# KiCad board raven.kicad_pcb (continued)
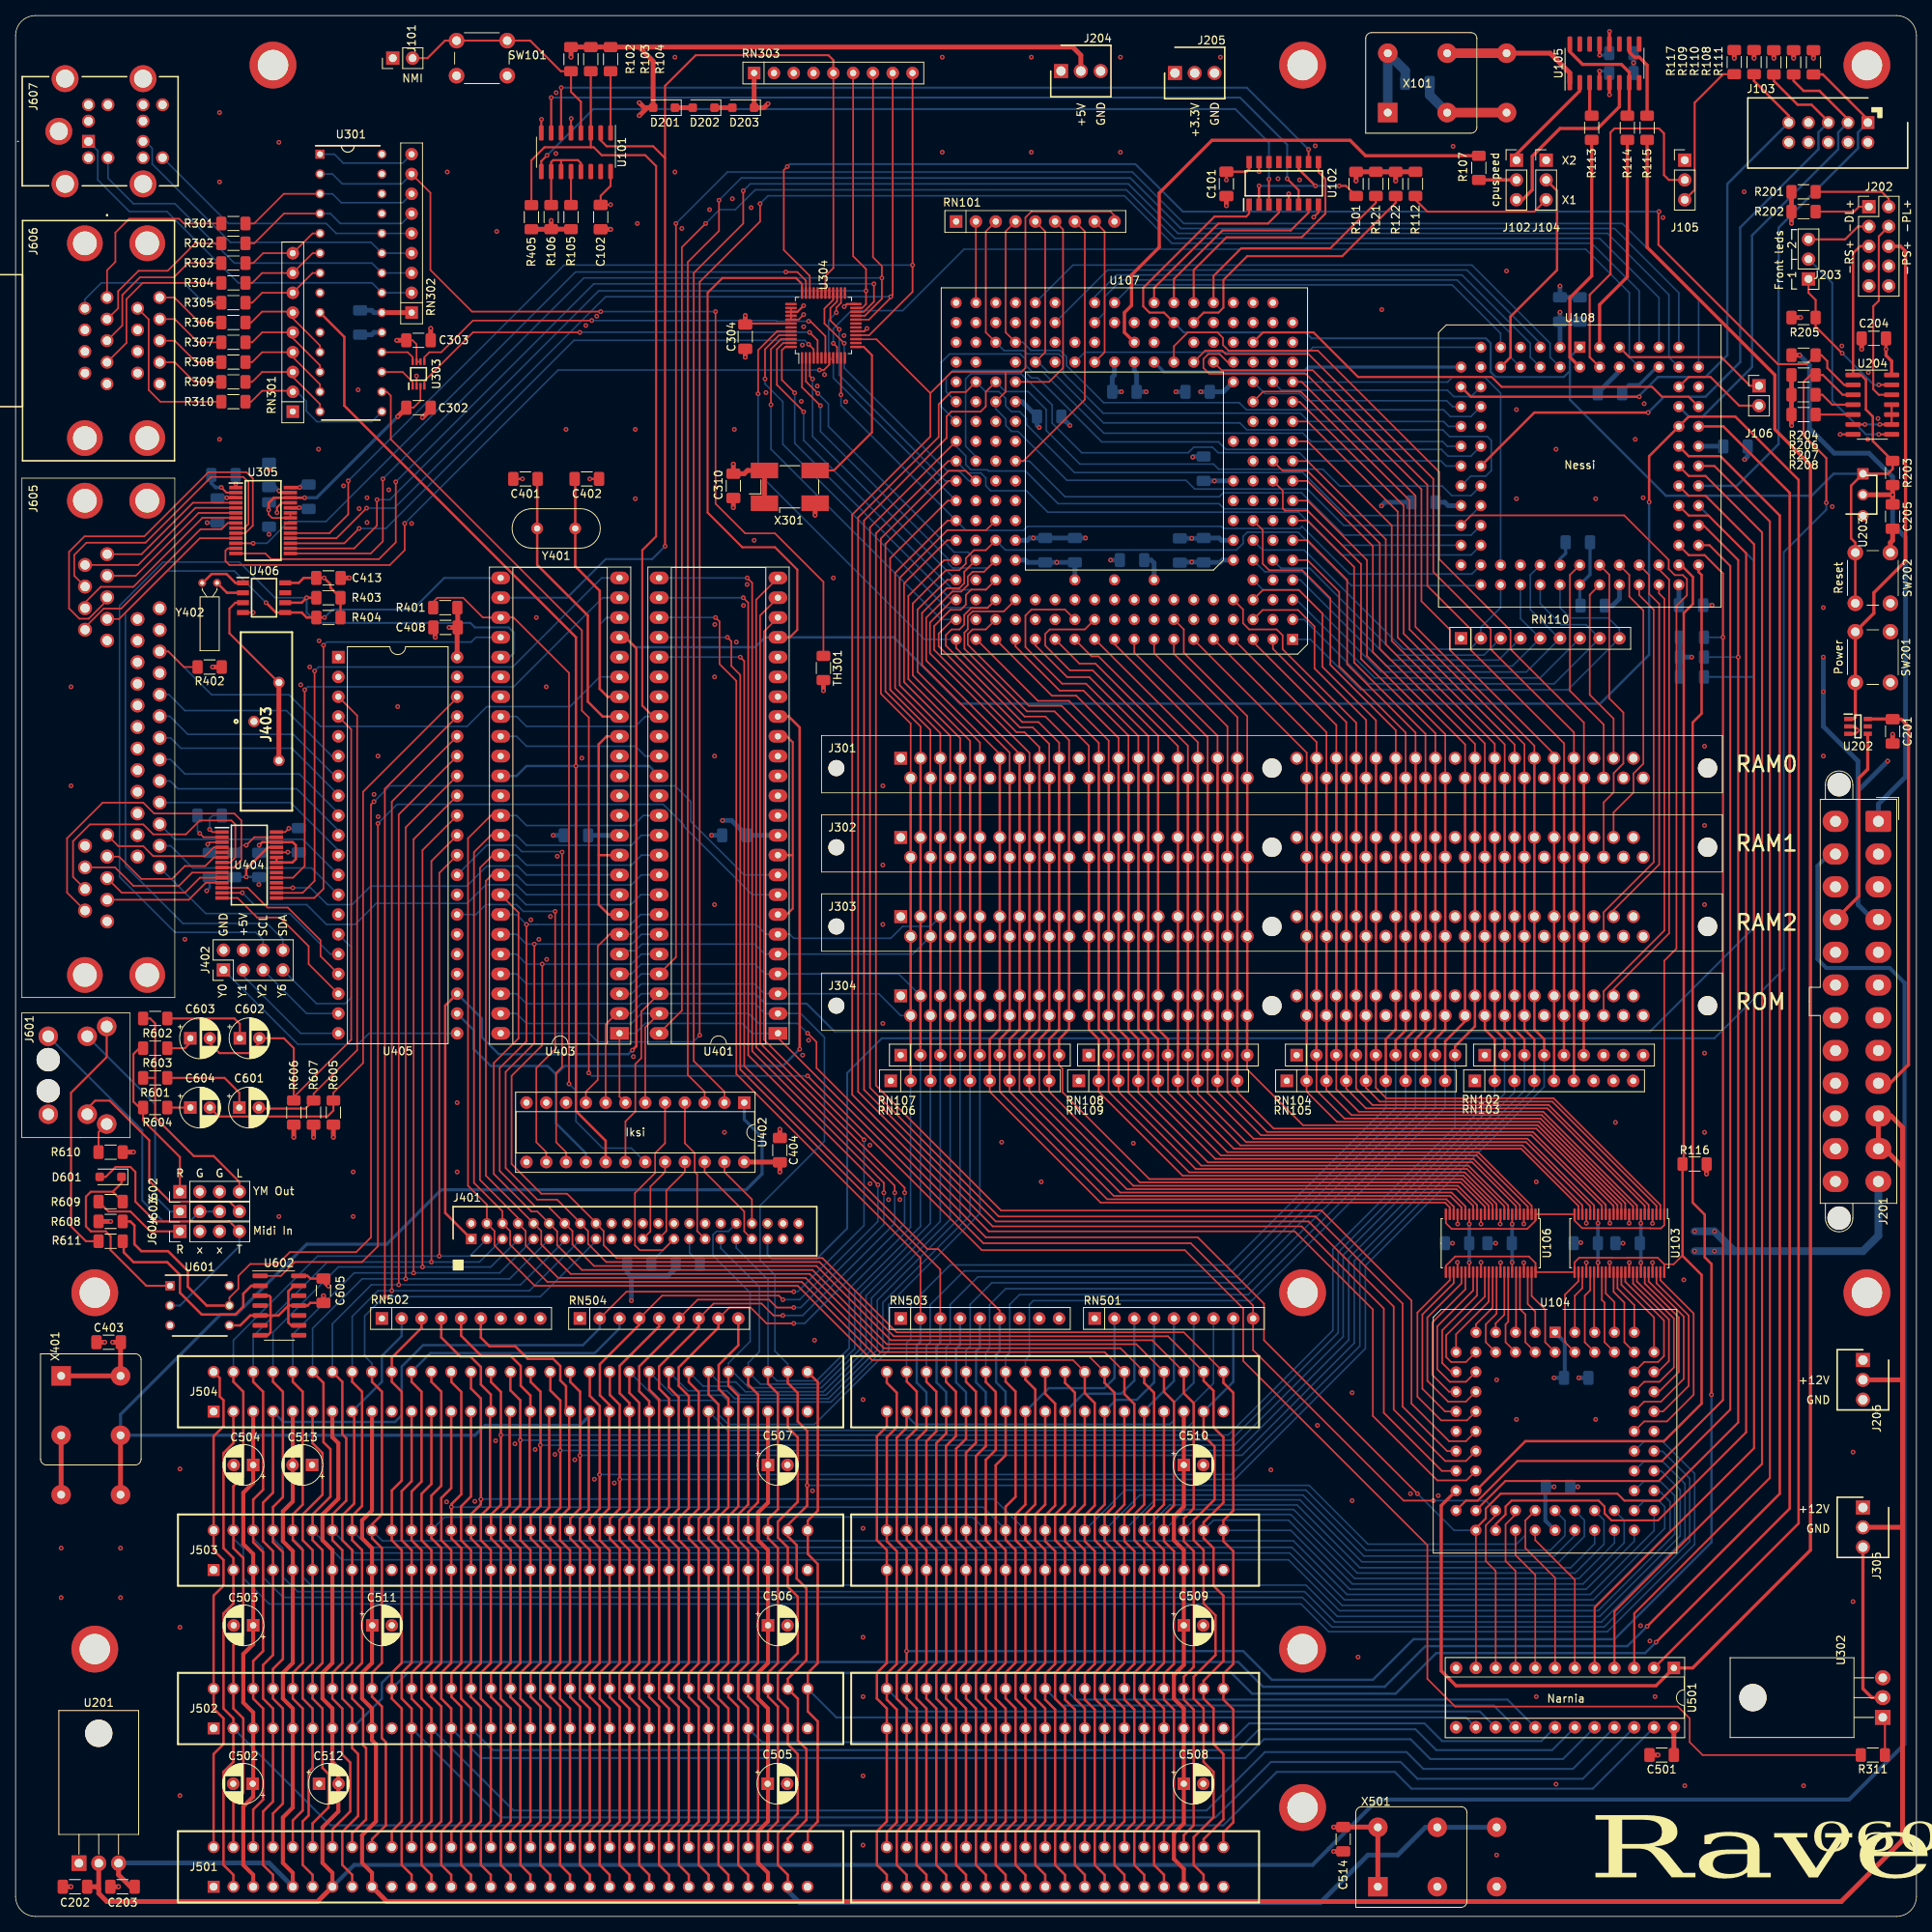
[diagram p0: board, top side]
## Library data of the parts
C101 C102 C108 C110-C118 C121-C126 C201-C204 C305-C309 C403-C413 C514 C605 = -: Description: cap 100nf SMD; Manufacturer_Name: Kemet; Manufacturer_Part_Number: C1206C104K5RACTU
C103-C107 C109 C302-C304 C501 = -: Description: cap 100nf SMD; Manufacturer_Name: Kemet; Manufacturer_Part_Number: C1206C104K5RACTU; Part: C1206C104K5RACTU; Vendor: KEMET
C119 C120 C127 C128 = -: Description: cap 100nf SMD; Manufacturer_Name: Kemet; Manufacturer_Part_Number: C1206C105K4RACTU
C205 = -: Description: Unpolarized capacitor; Manufacturer_Name: Kemet; Manufacturer_Part_Number: C1206C104K5RACTU
C301 = -: Manufacturer_Name: Kemet; Manufacturer_Part_Number: C1206C104K5RACTU
C310 = -: Description: cap 100nf SMD; Manufacturer_Name: Kemet; Manufacturer_Part_Number: C1206C103K2RACTU
C401 C402 = -: Description: cap 100nf SMD; Manufacturer_Name: Kemet; Manufacturer_Part_Number: C1206C330J1GACTU
C502-C513 = -: Description: Polarized capacitor; Manufacturer_Name: Panasonic; Manufacturer_Part_Number: EEU-EB1H100SH
C601-C604 = -: Description: Polarized capacitor; Manufacturer_Name: Panasonic; Manufacturer_Part_Number: EEU-EB1H4R7SH
D201-D203 = -: Description: Diode; Manufacturer_Name: Comchip; Manufacturer_Part_Number: CGRKM4001-HF
D601 = -: Description: 100V 0.3A Small Signal Fast Switching Diode, DO-35; Manufacturer_Name: Taiwan Semiconductor; Manufacturer_Part_Number: 1N914BW RHG; Sim.Device: D; Sim.Pins: 1=K 2=A
J101 = -: Description: Generic connector, single row, 01x02, script generated (kicad-library-utils/schlib/autogen/connector/); Manufacturer_Name: Wurth Elektronik; Manufacturer_Part_Number: 61300211121; Name: NMI
J102 J104 J105 J203 = -: Description: Generic connector, single row, 01x03, script generated (kicad-library-utils/schlib/autogen/connector/); Manufacturer_Name: Wurth Elektronik; Manufacturer_Part_Number: 61300311121
J103 = -: Manufacturer_Name: Wurth Elektronik; Manufacturer_Part_Number: 61201021621
J106 = -: Description: Generic connector, single row, 01x02, script generated (kicad-library-utils/schlib/autogen/connector/); Manufacturer_Name: Wurth Elektronik; Manufacturer_Part_Number: 61300211121
J201 = -: Description: ATX Power supply 24pins; Info: https://www.intel.com/content/dam/www/public/us/en/documents/guides/power-supply-design-guide-june.pdf#page=33; Manufacturer_Name: TE Connectivity; Manufacturer_Part_Number: 1-1775099-3
J202 = -: Description: Generic connector, double row, 02x05, odd/even pin numbering scheme (row 1 odd numbers, row 2 even numbers), script generated (kicad-library-utils/schlib/autogen/connector/); Manufacturer_Name: Wurth Elektronik; Manufacturer_Part_Number: 61301021121; Name: Frontpanel
J204-J206 J305 = -: Description: MOLEX - 171856-1003 - CONNECTOR, HEADER, 3POS, 1ROW, 2.54MM; Height: 8.43; Manufacturer_Name: Molex; Manufacturer_Part_Number: 171856-1003; Mouser Part Number: 538-171856-1003; Mouser Price/Stock: https://www.mouser.co.uk/ProductDetail/Molex/171856-1003?qs=s7UCm7gO1bYrc6bByhKL5g%3D%3D
J301-J304 = -: Description: Non-standard SIMM; Manufacturer_Name: TE Connectivity; Manufacturer_Part_Number: 5822030-3
J401 = -: Description: Connector pin header; Manufacturer_Name: Molex; Manufacturer_Part_Number: 87831-4420
J402 = -: Description: Generic connector, double row, 02x04, odd/even pin numbering scheme (row 1 odd numbers, row 2 even numbers), script generated (kicad-library-utils/schlib/autogen/connector/); Manufacturer_Name: Wurth Elektronik; Manufacturer_Part_Number: 61300821121
J403 = -: Description: Coin Cell Battery Retainer, Vertical Throughboard, for CR2032 and BR2032 Coin Cell Batteries; Manufacturer_Name: Harwin; Manufacturer_Part_Number: S8401-46; Mouser Part Number: 855-S8401-46; Mouser Price/Stock: https://www.mouser.co.uk/ProductDetail/Harwin/S8401-46?qs=Qom7kyPojXaFNoCO9lxVnA%3D%3D
J501-J504 = -: Description: ISA 16bit connector; Manufacturer_Name: TE Connectivity; Manufacturer_Part_Number: 5176139-2
J601 = -: Description: Phone Connectors 3.5mm STACKED STEREO dual; Manufacturer_Name: Kycon; Manufacturer_Part_Number: STX-4235-3/3-N; Mouser Part Number: 806-STX-4235-3/3-N
J602-J604 = -: Description: Generic connector, single row, 01x04, script generated (kicad-library-utils/schlib/autogen/connector/); Manufacturer_Name: Wurth Elektronik; Manufacturer_Part_Number: 61300411121
J605 = -: Description: D-Sub Dualport Connectors 25P Male / 2x 9P Female .750" Spacing; Manufacturer_Name: Amphenol; Manufacturer_Part_Number: L17H26R0121; Mouser Part Number: 523-L17H26R0121
J606 = -: Description: D-Sub Dualport Connectors DL-PRT 9M O/ 9M-750 4GB JS; Height: 31.6; Manufacturer_Name: Kycon; Manufacturer_Part_Number: K42X-E9P/P-A4NJ; Mouser Part Number: 806-K42X-E9P/P-A4NJ; Mouser Price/Stock: https://www.mouser.com/Search/Refine.aspx?Keyword=806-K42X-E9P%2FP-A4NJ
J607 = -: Description: Circular DIN Connectors 6P/6P PC99 GRN/PURPL STACKED GOLD PLATED; Height: 28.55; Manufacturer_Name: Kycon; Manufacturer_Part_Number: KMDGX-6SG/P-S4N; Mouser Part Number: 806-KMDGX-6SGP-S4N; Mouser Price/Stock: https://www.mouser.co.uk/ProductDetail/Kycon/KMDGX-6SG-P-S4N?qs=wzaPhkLM3Q5CI9SGP7X58Q%3D%3D
R101-R106 R108 R112 R117 R121 R122 R204-R208 R311 R407 = -: Description: Resistor; Manufacturer_Name: Yageo; Manufacturer_Part_Number: RT1206FRE0710KL
R107 R113-R115 = -: Description: Resistor; Manufacturer_Name: Yageo; Manufacturer_Part_Number: RT1206FRE0733RL
R109-R111 R601-R604 R608 = -: Description: Resistor; Manufacturer_Name: Yageo; Manufacturer_Part_Number: RT1206FRE074K7L
R116 R118-R120 R203 R401 R402 R405 R605-R607 = -: Description: Resistor; Manufacturer_Name: Yageo; Manufacturer_Part_Number: RT1206FRE071KL
R201 R202 R301-R310 = -: Description: Resistor; Manufacturer_Name: Yageo; Manufacturer_Part_Number: RT1206FRE07470RL
R403 R404 R406 = -: Description: Resistor; Manufacturer_Name: Yageo; Manufacturer_Part_Number: RT1206FRE072K2L
R609-R611 = -: Description: Resistor; Manufacturer_Name: Yageo; Manufacturer_Part_Number: RT1206FRE07220RL
RN101-RN110 RN303 RN503 RN504 = -: Description: 8 resistor network, star topology, bussed resistors, split; Manufacturer_Name: IRC / TT; Manufacturer_Part_Number: L091S102LF
RN301 RN302 = -: Description: 8 resistor network, star topology, bussed resistors, split; Manufacturer_Name: IRC / TT; Manufacturer_Part_Number: L091S103LF
RN501 RN502 = -: Description: 8 resistor network, star topology, bussed resistors, split; Manufacturer_Name: IRC / TT; Manufacturer_Part_Number: L091S472LF
SW101 = -: Description: Push button switch, generic, two pins; Manufacturer_Name: Alps Alpine; Manufacturer_Part_Number: SKHHARA010; Name: NMI
SW201 = -: Description: Push button switch, generic, two pins; Manufacturer_Name: Alps Alpine; Manufacturer_Part_Number: SKHHARA010; Name: Pwr
SW202 = -: Description: Push button switch, generic, two pins; Manufacturer_Name: Alps Alpine; Manufacturer_Part_Number: SKHHARA010; Name: Reset
TH301 = -: Description: Temperature dependent resistor, negative temperature coefficient; Manufacturer_Name: TDK; Manufacturer_Part_Number: B57621C5103J62
U101 = -: Description: Priority Encoder 3 to 8 cascadable; Manufacturer_Name: TI; Manufacturer_Part_Number: SN74LS148DR
U102 = -: Description: 74AHC(T)157 - Quad 2-input multiplexer@en-us; Height: 1.75; Manufacturer_Name: Nexperia; Manufacturer_Part_Number: 74AHC157D,118; Mouser Part Number: 771-AHC157D118; Mouser Price/Stock: https://www.mouser.com/Search/Refine.aspx?Keyword=771-AHC157D118
U103 U106 = -: Description: Low Voltage 16-Bit Bidirectional Transceiver with 5V Tolerant Inputs and Outputs, TSSOP-48; Manufacturer_Name: NXP; Manufacturer_Part_Number: 74LVCH16245ADGG,11
U104 = -: Description: 68040/60 Bus sizer; Manufacturer_Name: Motorola; Vendor: NXP
U105 = -: Manufacturer_Name: Infineon Technologies; Manufacturer_Part_Number: CY2308SXC-2
U107 = -: Description: 68060 PGA206; Manufacturer_Name: Motorola; Part: MC68060RC; Vendor: NXP
U108 = -: Description: CPLD 128mc 7ns 64io; Manufacturer_Name: Microchip; Manufacturer_Part_Number: ATF1508AS-7JX84
U201 = -: Description: Voltage regulator,LM7905CT -5V Texas Instruments LM7905CT/NOPB, Single Negative Voltage Regulator 1.5A -5 V, +/-4%, 3-Pin TO-220; Height: 4.7; Manufacturer_Name: Texas Instruments; Manufacturer_Part_Number: LM7905CT/NOPB; Mouser Part Number: 926-LM7905CT/NOPB; Mouser Price/Stock: https://www.mouser.co.uk/ProductDetail/Texas-Instruments/LM7905CT-NOPB?qs=QbsRYf82W3EUyxHaqeuxKA%3D%3D
U202 = -: Description: On Off Controller, Debounce, 15kV ESD MAX16054AZT+T, Voltage Supervisor No Push Button Controller 6-Pin SOT-23; Height: 1.1; Manufacturer_Name: Analog Devices; Mouser Part Number: 700-MAX16054AZTT; Mouser Price/Stock: https://www.mouser.co.uk/ProductDetail/Analog-Devices-Maxim-Integrated/MAX16054AZT%2bT?qs=CDqwynd4ZNoG75aAAjGoqQ%3D%3D
U203 = -: Description: 3.3V Reset, 150 ms delay/2.88V threshold, TO-92-3; Manufacturer_Name: Analog Devices; Manufacturer_Part_Number: DS1818-10+T&R; Mouser Part Number: 700-DS1818-10T&R
U204 = -: Description: Triple 3-input NAND; Manufacturer_Name: TI; Manufacturer_Part_Number: CD74HCT10M96G4
U301 = -: Description: 8-bit Microcontrollers - MCU 14KB 368 RAM 22 I/O; Height: 4.06; Manufacturer_Name: Microchip; Manufacturer_Part_Number: PIC16F876A-I/SP; Mouser Part Number: 579-PIC16F876A-I/SP; Mouser Price/Stock: https://www.mouser.co.uk/ProductDetail/Microchip-Technology/PIC16F876A-I-SP?qs=wPbeaPfwU9%2FdIiAjeCfoEA%3D%3D
U302 = -: Description: Trans MOSFET N-CH 100V 5.6A; Height: 4.7; Manufacturer_Name: Vishay; Mouser Part Number: 844-IRF510PBF; Mouser Price/Stock: https://www.mouser.co.uk/ProductDetail/Vishay-Semiconductors/IRF510PBF?qs=cvaI6ThkwxvE%2Fq53SiepeA%3D%3D
U303 = -: Description: Translation - Voltage Levels Two channel fixed-direction level shifter with channels in opposite direction; Height: 0.9; Manufacturer_Name: Texas Instruments; Mouser Part Number: 595-TXU0202DCUR; Mouser Price/Stock: https://www.mouser.co.uk/ProductDetail/Texas-Instruments/TXU0202DCUR?qs=t7xnP681wgVssPLUozppFA%3D%3D
U304 = -: Description: 3V DUART, 68k interface, 16Mbs; Manufacturer_Name: MaxLinear; Manufacturer_Part_Number: XR68M752IM48-F
U305 U404 = -: Description: RS-232 Interface IC 1 uA Supply Current, 1Mbps, 3.0V to 5.5V; Height: 1.99; Manufacturer_Name: Analog Devices; Mouser Part Number: 700-MAX3245CAIT; Mouser Price/Stock: https://www.mouser.co.uk/ProductDetail/Analog-Devices-Maxim-Integrated/MAX3245EAI%2bT?qs=CDqwynd4ZNrrMw8MU20iYw%3D%3D
U401 U403 = -: Description: MFP DIP48; Manufacturer_Name: NXP; Manufacturer_Part_Number: MC68901P
U402 U501 = -: Description: Microchip ATF22V10C-15PU, SPLD Simple Programmable Logic Device; Manufacturer_Name: Microchip
U405 = -: Manufacturer_Name: Yamaha
U406 = -: Description: DS1307Z+T&R, Real Time Clock, Battery Backup, Calendar, Clock, 56B RAM, I2C, 8-Pin SOIC; Height: 1.75; Manufacturer_Name: Analog Devices; Manufacturer_Part_Number: DS1307Z+T&R; Mouser Part Number: 700-DS1307ZT&R; Mouser Price/Stock: https://www.mouser.co.uk/ProductDetail/Analog-Devices-Maxim-Integrated/DS1307Z%2bTR?qs=0Y9aZN%252BMVCXp4OQc9xwQow%3D%3D
U601 = -: Description: Optocoupler DC-IN 1-CH Trans DC-OUT; Height: 4.3; Manufacturer_Name: Vishay; Mouser Part Number: 782-CNY17F-3; Mouser Price/Stock: https://www.mouser.co.uk/ProductDetail/Vishay-Semiconductors/CNY17F-3?qs=xCMk%252BIHWTZPgGZuXIQVmMQ%3D%3D
U602 = -: Description: Hex Buffers and Drivers With Open Collector High Voltage Outputs; Manufacturer_Name: TI; Manufacturer_Part_Number: SN74LS07DR
X101 = -: Description: Crystal Clock Oscillator, DIP8-style metal package; Manufacturer_Name: Abracon; Manufacturer_Part_Number: ACHL-48.000MHZ-EK
X301 = -: Description: HCMOS Clock Oscillator; Manufacturer_Name: Abracon; Manufacturer_Part_Number: ASV-24.000MHZ-EJ-T
X401 = -: Description: Crystal Clock Oscillator, DIP8-style metal package; Manufacturer_Name: Abracon; Manufacturer_Part_Number: ACH-8.000MHZ-EK
X501 = -: Description: Crystal Clock Oscillator, DIP8-style metal package; Manufacturer_Name: Abracon; Manufacturer_Part_Number: ACH-14.31818MHZ-EK
Y401 = -: Description: Two pin crystal; Manufacturer_Name: CTS; Manufacturer_Part_Number: MP024S
Y402 = -: Description: Crystals CRYSTAL 32.768 kHZ 12.5 PF SMD, ESR 35K Ohms, +/-10ppm -20 C 70 C, 2.1 x 6.2 1 uw Max +/- 3 ppm 1st Year Aging Max; Height: 6.2; Manufacturer_Name: ECS; Manufacturer_Part_Number: ECS-.327-12.5-13X-C; Mouser Part Number: 520-S-.32712.513XC; Mouser Price/Stock: https://www.mouser.co.uk/ProductDetail/ECS/ECS-.327-12.5-13X-C?qs=zW32dvEIR3sSXlfaut3cdQ%3D%3D

## Footprints (pads in the part's own frame, mm; a bottom-side part is the same pattern mirrored in y, then rotated)
ATX_hole
  round 6 hole 3.9: 1(0,0)
ATX_pwr24
  round 3 hole 3 unplated: (-4.7,-5.04) (50.9,-5.04)
  rrect 2.7x3.3 hole 1.4: 1(0,0)
  oval 2.7x3.3 hole 1.4: 2(4.2,0) 3(8.4,0) 4(12.6,0) 5(16.8,0) 6(21,0) 7(25.2,0) 8(29.4,0) 9(33.6,0) 10(37.8,0) 11(42,0) 12(46.2,0) 13(0,-5.5) 14(4.2,-5.5) 15(8.4,-5.5) 16(12.6,-5.5) 17(16.8,-5.5) 18(21,-5.5) 19(25.2,-5.5) 20(29.4,-5.5) 21(33.6,-5.5) 22(37.8,-5.5) 23(42,-5.5) 24(46.2,-5.5)
C_1206_3216Metric_Pad1.33x1.80mm_HandSolder
  rrect 1.325x1.8 smd: 1(-1.562,0) 2(1.562,0)
CP_Radial_D5.0mm_P2.50mm
  rect 1.6x1.6 hole 0.8: 1(0,0)
  round 1.6 hole 0.8: 2(2.5,0)
Crystal_C26-LF_D2.1mm_L6.5mm_Horizontal
  round 1 hole 0.5: 1(0,0) 2(1.9,0)
Crystal_HC49-U_Vertical
  round 1.5 hole 0.8: 1(0,0) 2(4.88,0)
D_SOD-123F
  rrect 1.1x1.1 smd: 1(-1.4,0) 2(1.4,0)
DIP762W60P254L730H430Q6N
  rect 1.2x1.2 hole 0.8: 1(-3.81,2.54)
  round 1.2 hole 0.8: 2(-3.81,0) 3(-3.81,-2.54) 4(3.81,-2.54) 5(3.81,0) 6(3.81,2.54)
DIP794W56P254L3467H406Q28N
  rect 1.16x1.16 hole 0.76: 1(-3.97,16.51)
  round 1.16 hole 0.76: 2(-3.97,13.97) 3(-3.97,11.43) 4(-3.97,8.89) 5(-3.97,6.35) 6(-3.97,3.81) 7(-3.97,1.27) 8(-3.97,-1.27) 9(-3.97,-3.81) 10(-3.97,-6.35) 11(-3.97,-8.89) 12(-3.97,-11.43) 13(-3.97,-13.97) 14(-3.97,-16.51) 15(3.97,-16.51) 16(3.97,-13.97) 17(3.97,-11.43) 18(3.97,-8.89) 19(3.97,-6.35) 20(3.97,-3.81) 21(3.97,-1.27) 22(3.97,1.27) 23(3.97,3.81) 24(3.97,6.35) 25(3.97,8.89) 26(3.97,11.43) 27(3.97,13.97) 28(3.97,16.51)
DIP-24_W7.62mm_Socket
  rect 1.6x1.6 hole 0.8: 1(0,0)
  oval 1.6x1.6 hole 0.8: 2(0,-2.54) 3(0,-5.08) 4(0,-7.62) 5(0,-10.16) 6(0,-12.7) 7(0,-15.24) 8(0,-17.78) 9(0,-20.32) 10(0,-22.86) 11(0,-25.4) 12(0,-27.94) 13(7.62,-27.94) 14(7.62,-25.4) 15(7.62,-22.86) 16(7.62,-20.32) 17(7.62,-17.78) 18(7.62,-15.24) 19(7.62,-12.7) 20(7.62,-10.16) 21(7.62,-7.62) 22(7.62,-5.08) 23(7.62,-2.54) 24(7.62,0)
DIP-40_W15.24mm
  rect 1.6x1.6 hole 0.8: 1(0,0)
  oval 1.6x1.6 hole 0.8: 2(0,-2.54) 3(0,-5.08) 4(0,-7.62) 5(0,-10.16) 6(0,-12.7) 7(0,-15.24) 8(0,-17.78) 9(0,-20.32) 10(0,-22.86) 11(0,-25.4) 12(0,-27.94) 13(0,-30.48) 14(0,-33.02) 15(0,-35.56) 16(0,-38.1) 17(0,-40.64) 18(0,-43.18) 19(0,-45.72) 20(0,-48.26) 21(15.24,-48.26) 22(15.24,-45.72) 23(15.24,-43.18) 24(15.24,-40.64) 25(15.24,-38.1) 26(15.24,-35.56) 27(15.24,-33.02) 28(15.24,-30.48) 29(15.24,-27.94) 30(15.24,-25.4) 31(15.24,-22.86) 32(15.24,-20.32) 33(15.24,-17.78) 34(15.24,-15.24) 35(15.24,-12.7) 36(15.24,-10.16) 37(15.24,-7.62) 38(15.24,-5.08) 39(15.24,-2.54) 40(15.24,0)
DIP-48_W15.24mm_Socket_LongPads
  rect 2.4x1.6 hole 0.8: 1(0,0)
  oval 2.4x1.6 hole 0.8: 2(0,-2.54) 3(0,-5.08) 4(0,-7.62) 5(0,-10.16) 6(0,-12.7) 7(0,-15.24) 8(0,-17.78) 9(0,-20.32) 10(0,-22.86) 11(0,-25.4) 12(0,-27.94) 13(0,-30.48) 14(0,-33.02) 15(0,-35.56) 16(0,-38.1) 17(0,-40.64) 18(0,-43.18) 19(0,-45.72) 20(0,-48.26) 21(0,-50.8) 22(0,-53.34) 23(0,-55.88) 24(0,-58.42) 25(15.24,-58.42) 26(15.24,-55.88) 27(15.24,-53.34) 28(15.24,-50.8) 29(15.24,-48.26) 30(15.24,-45.72) 31(15.24,-43.18) 32(15.24,-40.64) 33(15.24,-38.1) 34(15.24,-35.56) 35(15.24,-33.02) 36(15.24,-30.48) 37(15.24,-27.94) 38(15.24,-25.4) 39(15.24,-22.86) 40(15.24,-20.32) 41(15.24,-17.78) 42(15.24,-15.24) 43(15.24,-12.7) 44(15.24,-10.16) 45(15.24,-7.62) 46(15.24,-5.08) 47(15.24,-2.54) 48(15.24,0)
DS1813
  rect 1.44x1.44 hole 0.96: 1(0,0)
  round 1.44 hole 0.96: 2(2.69,0) 3(5.38,0)
HDRV3W99P0X254_1X3_747X635X843P
  rect 1.8x1.8 hole 1.2: 1(0,0)
  round 1.8 hole 1.2: 2(2.54,0) 3(5.08,0)
ISA16
  rect 1.524x1.524 hole 1.016: 1(64.77,2.54)
  round 1.524 hole 1.016: 2(62.23,2.54) 3(59.69,2.54) 4(57.15,2.54) 5(54.61,2.54) 6(52.07,2.54) 7(49.53,2.54) 8(46.99,2.54) 9(44.45,2.54) 10(41.91,2.54) 11(39.37,2.54) 12(36.83,2.54) 13(34.29,2.54) 14(31.75,2.54) 15(29.21,2.54) 16(26.67,2.54) 17(24.13,2.54) 18(21.59,2.54) 19(19.05,2.54) 20(16.51,2.54) 21(13.97,2.54) 22(11.43,2.54) 23(8.89,2.54) 24(6.35,2.54) 25(3.81,2.54) 26(1.27,2.54) 27(-1.27,2.54) 28(-3.81,2.54) 29(-6.35,2.54) 30(-8.89,2.54) 31(-11.43,2.54) 32(64.77,-2.54) 33(62.23,-2.54) 34(59.69,-2.54) 35(57.15,-2.54) 36(54.61,-2.54) 37(52.07,-2.54) 38(49.53,-2.54) 39(46.99,-2.54) 40(44.45,-2.54) 41(41.91,-2.54) 42(39.37,-2.54) 43(36.83,-2.54) 44(34.29,-2.54) 45(31.75,-2.54) 46(29.21,-2.54) 47(26.67,-2.54) 48(24.13,-2.54) 49(21.59,-2.54) 50(19.05,-2.54) 51(16.51,-2.54) 52(13.97,-2.54) 53(11.43,-2.54) 54(8.89,-2.54) 55(6.35,-2.54) 56(3.81,-2.54) 57(1.27,-2.54) 58(-1.27,-2.54) 59(-3.81,-2.54) 60(-6.35,-2.54) 61(-8.89,-2.54) 62(-11.43,-2.54) 63(-21.59,2.54) 64(-24.13,2.54) 65(-26.67,2.54) 66(-29.21,2.54) 67(-31.75,2.54) 68(-34.29,2.54) 69(-36.83,2.54) 70(-39.37,2.54) 71(-41.91,2.54) 72(-44.45,2.54) 73(-46.99,2.54) 74(-49.53,2.54) 75(-52.07,2.54) 76(-54.61,2.54) 77(-57.15,2.54) 78(-59.69,2.54) 79(-62.23,2.54) 80(-64.77,2.54) 81(-21.59,-2.54) 82(-24.13,-2.54) 83(-26.67,-2.54) 84(-29.21,-2.54) 85(-31.75,-2.54) 86(-34.29,-2.54) 87(-36.83,-2.54) 88(-39.37,-2.54) 89(-41.91,-2.54) 90(-44.45,-2.54) 91(-46.99,-2.54) 92(-49.53,-2.54) 93(-52.07,-2.54) 94(-54.61,-2.54) 95(-57.15,-2.54) 96(-59.69,-2.54) 97(-62.23,-2.54) 98(-64.77,-2.54)
K42XE9PPA4NJ
  round 1.635 hole 1.09: A1(0,0) A2(2.77,0) A3(5.54,0) A4(8.31,0) A5(11.08,0) A6(1.385,-2.84) A7(4.155,-2.84) A8(6.925,-2.84) A9(9.695,-2.84) B1(0,6.76) B2(2.77,6.76) B3(5.54,6.76) B4(8.31,6.76) B5(11.08,6.76) B6(1.385,3.92) B7(4.155,3.92) B8(6.925,3.92) B9(9.695,3.92)
  round 4.575 hole 3.05: MH1(-6.955,5.16) MH2(18.035,5.16) MH3(-6.955,-2.84) MH4(18.035,-2.84)
KMDGX6SGPS4N
  rect 1.65x1.65 hole 1.1: A1(0,0)
  round 1.65 hole 1.1: A2(2.6,0) A3(-2.1,0) A5(4.7,0) A6(-2.1,-2.5) A8(4.7,-2.5) B1(0,-7) B2(2.6,-7) B3(-2.1,-7) B5(4.7,-7) B6(-2.1,-9.5) B8(4.7,-9.5)
  round 3.45 hole 2.3: MH1(1.3,3.8) MH2(-5.45,3) MH3(8.05,3) MH4(-5.45,-7) MH5(8.05,-7)
L17H26R0121
  round 1.785 hole 1.19: A1(-6.94,-6.731) A2(-4.17,-6.731) A3(-1.4,-6.731) A4(1.37,-6.731) A5(4.14,-6.731) A6(-5.555,-9.571) A7(-2.785,-9.571) A8(-0.015,-9.571) A9(2.755,-9.571) B1(29.085,-6.731) B2(31.855,-6.731) B3(34.625,-6.731) B4(37.395,-6.731) B5(40.165,-6.731) B6(30.47,-9.571) B7(33.24,-9.571) B8(36.01,-9.571) B9(38.78,-9.571) C1(33.24,0) C2(30.47,0) C3(27.7,0) C4(24.93,0) C5(22.16,0) C6(19.39,0) C7(16.62,0) C8(13.85,0) C9(11.08,0) C10(8.31,0) C11(5.54,0) C12(2.77,0) C13(0,0) C14(31.855,-2.84) C15(29.085,-2.84) C16(26.315,-2.84) C17(23.545,-2.84) C18(20.775,-2.84) C19(18.005,-2.84) C20(15.235,-2.84) C21(12.465,-2.84) C22(9.695,-2.84) C23(6.925,-2.84) C24(4.155,-2.84) C25(1.385,-2.84)
  round 4.575 hole 3.05: MH1(-13.8,-1.59) MH2(47.04,-1.59) MH3(-13.8,-9.59) MH4(47.04,-9.59)
MC68060_PGA206
  rect 1.422x1.422 hole 0.8: A01(21.59,-20.574)
  round 1.422 hole 0.8: A02(19.05,-20.574) A03(16.51,-20.574) A04(13.97,-20.574) A05(11.43,-20.574) A06(8.89,-20.574) A07(6.35,-20.574) A08(3.81,-20.574) A09(1.27,-20.574) A10(-1.27,-20.574) A11(-3.81,-20.574) A12(-6.35,-20.574) A13(-8.89,-20.574) A14(-11.43,-20.574) A15(-13.97,-20.574) A16(-16.51,-20.574) A17(-19.05,-20.574) A18(-21.59,-20.574) B01(21.59,-18.034) B02(19.05,-18.034) B03(16.51,-18.034) B04(13.97,-18.034) B05(11.43,-18.034) B06(8.89,-18.034) B07(6.35,-18.034) B08(3.81,-18.034) B09(1.27,-18.034) B10(-1.27,-18.034) B11(-3.81,-18.034) B12(-6.35,-18.034) B13(-8.89,-18.034) B14(-11.43,-18.034) B15(-13.97,-18.034) B16(-16.51,-18.034) B17(-19.05,-18.034) B18(-21.59,-18.034) C01(21.59,-15.494) C02(19.05,-15.494) C03(16.51,-15.494) C04(13.97,-15.494) C05(11.43,-15.494) C06(8.89,-15.494) C07(6.35,-15.494) C08(3.81,-15.494) C09(1.27,-15.494) C10(-1.27,-15.494) C11(-3.81,-15.494) C12(-6.35,-15.494) C13(-8.89,-15.494) C14(-11.43,-15.494) C15(-13.97,-15.494) C16(-16.51,-15.494) C17(-19.05,-15.494) C18(-21.59,-15.494) D01(21.59,-12.954) D02(19.05,-12.954) D03(16.51,-12.954) D08(3.81,-12.954) D10(-1.27,-12.954) D12(-6.35,-12.954) D15(-13.97,-12.954) D16(-16.51,-12.954) D17(-19.05,-12.954) D18(-21.59,-12.954) E01(21.59,-10.414) E02(19.05,-10.414) E03(16.51,-10.414) E04(13.97,-10.414) E15(-13.97,-10.414) E16(-16.51,-10.414) E17(-19.05,-10.414) E18(-21.59,-10.414) F01(21.59,-7.874) F02(19.05,-7.874) F03(16.51,-7.874) F04(13.97,-7.874) F15(-13.97,-7.874) F16(-16.51,-7.874) F17(-19.05,-7.874) F18(-21.59,-7.874) G01(21.59,-5.334) G02(19.05,-5.334) G03(16.51,-5.334) G04(13.97,-5.334) G15(-13.97,-5.334) G16(-16.51,-5.334) G17(-19.05,-5.334) G18(-21.59,-5.334) H01(21.59,-2.794) H02(19.05,-2.794) H03(16.51,-2.794) H04(13.97,-2.794) H15(-13.97,-2.794) H16(-16.51,-2.794) H17(-19.05,-2.794) H18(-21.59,-2.794) J01(21.59,-0.254) J02(19.05,-0.254) J03(16.51,-0.254) J04(13.97,-0.254) J15(-13.97,-0.254) J16(-16.51,-0.254) J17(-19.05,-0.254) J18(-21.59,-0.254) K01(21.59,2.286) K02(19.05,2.286) K03(16.51,2.286) K15(-13.97,2.286) K16(-16.51,2.286) K17(-19.05,2.286) K18(-21.59,2.286) L01(21.59,4.826) L02(19.05,4.826) L03(16.51,4.826) L04(13.97,4.826) L15(-13.97,4.826) L16(-16.51,4.826) L17(-19.05,4.826) L18(-21.59,4.826) M01(21.59,7.366) M02(19.05,7.366) M03(16.51,7.366) M15(-13.97,7.366) M16(-16.51,7.366) M17(-19.05,7.366) M18(-21.59,7.366) N01(21.59,9.906) N02(19.05,9.906) N03(16.51,9.906) N15(-13.97,9.906) N16(-16.51,9.906) N17(-19.05,9.906) N18(-21.59,9.906) P01(21.59,12.446) P02(19.05,12.446) P03(16.51,12.446) P04(13.97,12.446) P15(-13.97,12.446) P16(-16.51,12.446) P17(-19.05,12.446) P18(-21.59,12.446) Q01(21.59,14.986) Q02(19.05,14.986) Q03(16.51,14.986) Q04(13.97,14.986) Q05(11.43,14.986) Q06(8.89,14.986) Q07(6.35,14.986) Q08(3.81,14.986) Q09(1.27,14.986) Q10(-1.27,14.986) Q11(-3.81,14.986) Q12(-6.35,14.986) Q13(-8.89,14.986) Q14(-11.43,14.986) Q15(-13.97,14.986) Q17(-19.05,14.986) Q18(-21.59,14.986) R01(21.59,17.526) R02(19.05,17.526) R03(16.51,17.526) R04(13.97,17.526) R05(11.43,17.526) R06(8.89,17.526) R08(3.81,17.526) R09(1.27,17.526) R11(-3.81,17.526) R12(-6.35,17.526) R13(-8.89,17.526) R14(-11.43,17.526) R15(-13.97,17.526) R16(-16.51,17.526) R17(-19.05,17.526) R18(-21.59,17.526) S01(21.59,20.066) S02(19.05,20.066) S03(16.51,20.066) S04(13.97,20.066) S05(11.43,20.066) S06(8.89,20.066) S07(6.35,20.066) S08(3.81,20.066) S09(1.27,20.066) S10(-1.27,20.066) S11(-3.81,20.066) S13(-8.89,20.066) S14(-11.43,20.066) S15(-13.97,20.066) S16(-16.51,20.066) S17(-19.05,20.066) S18(-21.59,20.066) T02(19.05,22.606) T03(16.51,22.606) T04(13.97,22.606) T05(11.43,22.606) T06(8.89,22.606) T07(6.35,22.606) T08(3.81,22.606) T10(-1.27,22.606) T11(-3.81,22.606) T13(-8.89,22.606) T14(-11.43,22.606) T15(-13.97,22.606) T16(-16.51,22.606) T17(-19.05,22.606) T18(-21.59,22.606)
Oscillator_DIP-8-16
  rect 2.5x2.5 hole 1: 1(0,0)
  round 2.5 hole 1: 4(7.62,0) 4(15.24,0) 5(7.62,7.62) 5(15.24,7.62) 8(0,7.62)
Oscillator_SMD_EuroQuartz_XO91-4Pin_7.0x5.0mm_HandSoldering
  rect 3.5x2 smd: 1(-3.25,-2.1) 2(3.25,-2.1) 3(3.25,2.1) 4(-3.25,2.1)
PinHeader_1x02_P2.54mm_Vertical
  rect 1.7x1.7 hole 1: 1(0,0)
  oval 1.7x1.7 hole 1: 2(0,-2.54)
PinHeader_1x03_P2.54mm_Vertical
  rect 1.7x1.7 hole 1: 1(0,0)
  oval 1.7x1.7 hole 1: 2(0,-2.54) 3(0,-5.08)
PinHeader_1x04_P2.54mm_Vertical
  rect 1.7x1.7 hole 1: 1(0,0)
  oval 1.7x1.7 hole 1: 2(0,-2.54) 3(0,-5.08) 4(0,-7.62)
PinHeader_2x04_P2.54mm_Vertical
  rect 1.7x1.7 hole 1: 1(0,0)
  oval 1.7x1.7 hole 1: 2(2.54,0) 3(0,-2.54) 4(2.54,-2.54) 5(0,-5.08) 6(2.54,-5.08) 7(0,-7.62) 8(2.54,-7.62)
PinHeader_2x05_P2.54mm_Vertical
  rect 1.7x1.7 hole 1: 1(0,0)
  oval 1.7x1.7 hole 1: 2(2.54,0) 3(0,-2.54) 4(2.54,-2.54) 5(0,-5.08) 6(2.54,-5.08) 7(0,-7.62) 8(2.54,-7.62) 9(0,-10.16) 10(2.54,-10.16)
PLCC-68_THT-Socket
  rect 1.422x1.422 hole 0.8: 1(0,0)
  round 1.422 hole 0.8: 2(0,-2.54) 3(-2.54,0) 4(-2.54,-2.54) 5(-5.08,0) 6(-5.08,-2.54) 7(-7.62,0) 8(-7.62,-2.54) 9(-10.16,0) 10(-12.7,-2.54) 11(-10.16,-2.54) 12(-12.7,-5.08) 13(-10.16,-5.08) 14(-12.7,-7.62) 15(-10.16,-7.62) 16(-12.7,-10.16) 17(-10.16,-10.16) 18(-12.7,-12.7) 19(-10.16,-12.7) 20(-12.7,-15.24) 21(-10.16,-15.24) 22(-12.7,-17.78) 23(-10.16,-17.78) 24(-12.7,-20.32) 25(-10.16,-20.32) 26(-12.7,-22.86) 27(-10.16,-25.4) 28(-10.16,-22.86) 29(-7.62,-25.4) 30(-7.62,-22.86) 31(-5.08,-25.4) 32(-5.08,-22.86) 33(-2.54,-25.4) 34(-2.54,-22.86) 35(0,-25.4) 36(0,-22.86) 37(2.54,-25.4) 38(2.54,-22.86) 39(5.08,-25.4) 40(5.08,-22.86) 41(7.62,-25.4) 42(7.62,-22.86) 43(10.16,-25.4) 44(12.7,-22.86) 45(10.16,-22.86) 46(12.7,-20.32) 47(10.16,-20.32) 48(12.7,-17.78) 49(10.16,-17.78) 50(12.7,-15.24) 51(10.16,-15.24) 52(12.7,-12.7) 53(10.16,-12.7) 54(12.7,-10.16) 55(10.16,-10.16) 56(12.7,-7.62) 57(10.16,-7.62) 58(12.7,-5.08) 59(10.16,-5.08) 60(12.7,-2.54) 61(10.16,0) 62(10.16,-2.54) 63(7.62,0) 64(7.62,-2.54) 65(5.08,0) 66(5.08,-2.54) 67(2.54,0) 68(2.54,-2.54)
PLCC-84_THT-Socket
  rect 1.422x1.422 hole 0.8: 1(0,0)
  round 1.422 hole 0.8: 2(0,-2.54) 3(-2.54,0) 4(-2.54,-2.54) 5(-5.08,0) 6(-5.08,-2.54) 7(-7.62,0) 8(-7.62,-2.54) 9(-10.16,0) 10(-10.16,-2.54) 11(-12.7,0) 12(-15.24,-2.54) 13(-12.7,-2.54) 14(-15.24,-5.08) 15(-12.7,-5.08) 16(-15.24,-7.62) 17(-12.7,-7.62) 18(-15.24,-10.16) 19(-12.7,-10.16) 20(-15.24,-12.7) 21(-12.7,-12.7) 22(-15.24,-15.24) 23(-12.7,-15.24) 24(-15.24,-17.78) 25(-12.7,-17.78) 26(-15.24,-20.32) 27(-12.7,-20.32) 28(-15.24,-22.86) 29(-12.7,-22.86) 30(-15.24,-25.4) 31(-12.7,-25.4) 32(-15.24,-27.94) 33(-12.7,-30.48) 34(-12.7,-27.94) 35(-10.16,-30.48) 36(-10.16,-27.94) 37(-7.62,-30.48) 38(-7.62,-27.94) 39(-5.08,-30.48) 40(-5.08,-27.94) 41(-2.54,-30.48) 42(-2.54,-27.94) 43(0,-30.48) 44(0,-27.94) 45(2.54,-30.48) 46(2.54,-27.94) 47(5.08,-30.48) 48(5.08,-27.94) 49(7.62,-30.48) 50(7.62,-27.94) 51(10.16,-30.48) 52(10.16,-27.94) 53(12.7,-30.48) 54(15.24,-27.94) 55(12.7,-27.94) 56(15.24,-25.4) 57(12.7,-25.4) 58(15.24,-22.86) 59(12.7,-22.86) 60(15.24,-20.32) 61(12.7,-20.32) 62(15.24,-17.78) 63(12.7,-17.78) 64(15.24,-15.24) 65(12.7,-15.24) 66(15.24,-12.7) 67(12.7,-12.7) 68(15.24,-10.16) 69(12.7,-10.16) 70(15.24,-7.62) 71(12.7,-7.62) 72(15.24,-5.08) 73(12.7,-5.08) 74(15.24,-2.54) 75(12.7,0) 76(12.7,-2.54) 77(10.16,0) 78(10.16,-2.54) 79(7.62,0) 80(7.62,-2.54) 81(5.08,0) 82(5.08,-2.54) 83(2.54,0) 84(2.54,-2.54)
R_1206_3216Metric_Pad1.30x1.75mm_HandSolder
  rrect 1.3x1.75 smd: 1(-1.55,0) 2(1.55,0)
R_Array_SIP9
  rect 1.6x1.6 hole 0.8: 1(0,0)
  oval 1.6x1.6 hole 0.8: 2(2.54,0) 3(5.08,0) 4(7.62,0) 5(10.16,0) 6(12.7,0) 7(15.24,0) 8(17.78,0) 9(20.32,0)
S8401-46
  round 1.45 hole 0.9: 1(0,1.6) 2(-5,-1.6) 3(5,-1.6)
SHDR10W64P254_2X5_2036X885X925P
  rect 1.65x1.65 hole 1.1: 1(0,0)
  round 1.65 hole 1.1: 2(0,2.54) 3(2.54,0) 4(2.54,2.54) 5(5.08,0) 6(5.08,2.54) 7(7.62,0) 8(7.62,2.54) 9(10.16,0) 10(10.16,2.54)
SHDR44W55P200_2X22_4665X630X640P
  rect 1.35x1.35 hole 0.8: 1(0,0)
  round 1.35 hole 0.8: 2(0,2) 3(2,0) 4(2,2) 5(4,0) 6(4,2) 7(6,0) 8(6,2) 9(8,0) 10(8,2) 11(10,0) 12(10,2) 13(12,0) 14(12,2) 15(14,0) 16(14,2) 17(16,0) 18(16,2) 19(18,0) 20(18,2) 21(20,0) 22(20,2) 23(22,0) 24(22,2) 25(24,0) 26(24,2) 27(26,0) 28(26,2) 29(28,0) 30(28,2) 31(30,0) 32(30,2) 33(32,0) 34(32,2) 35(34,0) 36(34,2) 37(36,0) 38(36,2) 39(38,0) 40(38,2) 41(40,0) 42(40,2) 43(42,0) 44(42,2)
SIMM72_v_lpol
  round 2.06 hole 2.06 unplated: (-8.26,-1.27)
  round 2.47 hole 2.47 unplated: (47.62,-1.27) (103.5,-1.27)
  rect 1.65x1.65 hole 1.1: 1(0,0)
  round 1.65 hole 1.1: 2(1.27,-2.54) 3(2.54,0) 4(3.81,-2.54) 5(5.08,0) 6(6.35,-2.54) 7(7.62,0) 8(8.89,-2.54) 9(10.16,0) 10(11.43,-2.54) 11(12.7,0) 12(13.97,-2.54) 13(15.24,0) 14(16.51,-2.54) 15(17.78,0) 16(19.05,-2.54) 17(20.32,0) 18(21.59,-2.54) 19(22.86,0) 20(24.13,-2.54) 21(25.4,0) 22(26.67,-2.54) 23(27.94,0) 24(29.21,-2.54) 25(30.48,0) 26(31.75,-2.54) 27(33.02,0) 28(34.29,-2.54) 29(35.56,0) 30(36.83,-2.54) 31(38.1,0) 32(39.37,-2.54) 33(40.64,0) 34(41.91,-2.54) 35(43.18,0) 36(44.45,-2.54) 37(50.8,0) 38(52.07,-2.54) 39(53.34,0) 40(54.61,-2.54) 41(55.88,0) 42(57.15,-2.54) 43(58.42,0) 44(59.69,-2.54) 45(60.96,0) 46(62.23,-2.54) 47(63.5,0) 48(64.77,-2.54) 49(66.04,0) 50(67.31,-2.54) 51(68.58,0) 52(69.85,-2.54) 53(71.12,0) 54(72.39,-2.54) 55(73.66,0) 56(74.93,-2.54) 57(76.2,0) 58(77.47,-2.54) 59(78.74,0) 60(80.01,-2.54) 61(81.28,0) 62(82.55,-2.54) 63(83.82,0) 64(85.09,-2.54) 65(86.36,0) 66(87.63,-2.54) 67(88.9,0) 68(90.17,-2.54) 69(91.44,0) 70(92.71,-2.54) 71(93.98,0) 72(95.25,-2.54)
SOIC127P600X175-8N
  rect 1.525x0.65 smd: 1(-2.712,1.905) 2(-2.712,0.635) 3(-2.712,-0.635) 4(-2.712,-1.905) 5(2.712,-1.905) 6(2.712,-0.635) 7(2.712,0.635) 8(2.712,1.905)
SOIC127P600X175-16N
  rect 1.55x0.7 smd: 1(-2.725,4.445) 2(-2.725,3.175) 3(-2.725,1.905) 4(-2.725,0.635) 5(-2.725,-0.635) 6(-2.725,-1.905) 7(-2.725,-3.175) 8(-2.725,-4.445) 9(2.725,-4.445) 10(2.725,-3.175) 11(2.725,-1.905) 12(2.725,-0.635) 13(2.725,0.635) 14(2.725,1.905) 15(2.725,3.175) 16(2.725,4.445)
SOIC-14_3.9x8.7mm_P1.27mm
  rrect 1.95x0.6 smd: 1(-2.475,3.81) 2(-2.475,2.54) 3(-2.475,1.27) 4(-2.475,0) 5(-2.475,-1.27) 6(-2.475,-2.54) 7(-2.475,-3.81) 8(2.475,-3.81) 9(2.475,-2.54) 10(2.475,-1.27) 11(2.475,0) 12(2.475,1.27) 13(2.475,2.54) 14(2.475,3.81)
SOIC-16_3.9x9.9mm_P1.27mm
  rrect 1.95x0.6 smd: 1(-2.475,4.445) 2(-2.475,3.175) 3(-2.475,1.905) 4(-2.475,0.635) 5(-2.475,-0.635) 6(-2.475,-1.905) 7(-2.475,-3.175) 8(-2.475,-4.445) 9(2.475,-4.445) 10(2.475,-3.175) 11(2.475,-1.905) 12(2.475,-0.635) 13(2.475,0.635) 14(2.475,1.905) 15(2.475,3.175) 16(2.475,4.445)
SOP50P310X90-8N
  rect 0.85x0.3 smd: 1(-1.575,0.75) 2(-1.575,0.25) 3(-1.575,-0.25) 4(-1.575,-0.75) 5(1.575,-0.75) 6(1.575,-0.25) 7(1.575,0.25) 8(1.575,0.75)
SOP65P778X199-28N
  rect 1.705x0.45 smd: 1(-3.498,4.225) 2(-3.498,3.575) 3(-3.498,2.925) 4(-3.498,2.275) 5(-3.498,1.625) 6(-3.498,0.975) 7(-3.498,0.325) 8(-3.498,-0.325) 9(-3.498,-0.975) 10(-3.498,-1.625) 11(-3.498,-2.275) 12(-3.498,-2.925) 13(-3.498,-3.575) 14(-3.498,-4.225) 15(3.498,-4.225) 16(3.498,-3.575) 17(3.498,-2.925) 18(3.498,-2.275) 19(3.498,-1.625) 20(3.498,-0.975) 21(3.498,-0.325) 22(3.498,0.325) 23(3.498,0.975) 24(3.498,1.625) 25(3.498,2.275) 26(3.498,2.925) 27(3.498,3.575) 28(3.498,4.225)
SOT95P275X110-6N
  rect 1.05x0.55 smd: 1(-1.25,0.95) 2(-1.25,0) 3(-1.25,-0.95) 4(1.25,-0.95) 5(1.25,0) 6(1.25,0.95)
STX4235-33
  round 3 hole 3 unplated: (-2,-5) (2,-5)
  round 2.5 hole 1.5: 1A(5,-5) 1B(-5,-5) 2A(6.25,2.5) 2B(-5,0) 5A(-6.25,2.5) 5B(5,0)
SW_PUSH_6mm_H4.3mm
  round 2 hole 1.1: 1(0,0) 1(6.5,0) 2(0,-4.5) 2(6.5,-4.5)
TO-220-3_Horizontal_TabDown
  oval 3.5x3.5 hole 3.5 unplated: (2.54,16.66)
  rect 1.905x2 hole 1.1: 1(0,0)
  oval 1.905x2 hole 1.1: 2(2.54,0) 3(5.08,0)
TQFP-48_7x7mm_P0.5mm
  rrect 1.475x0.3 smd: 1(-4.162,2.75) 2(-4.162,2.25) 3(-4.162,1.75) 4(-4.162,1.25) 5(-4.162,0.75) 6(-4.162,0.25) 7(-4.162,-0.25) 8(-4.162,-0.75) 9(-4.162,-1.25) 10(-4.162,-1.75) 11(-4.162,-2.25) 12(-4.162,-2.75) 25(4.162,-2.75) 26(4.162,-2.25) 27(4.162,-1.75) 28(4.162,-1.25) 29(4.162,-0.75) 30(4.162,-0.25) 31(4.162,0.25) 32(4.162,0.75) 33(4.162,1.25) 34(4.162,1.75) 35(4.162,2.25) 36(4.162,2.75)
  rrect 0.3x1.475 smd: 13(-2.75,-4.162) 14(-2.25,-4.162) 15(-1.75,-4.162) 16(-1.25,-4.162) 17(-0.75,-4.162) 18(-0.25,-4.162) 19(0.25,-4.162) 20(0.75,-4.162) 21(1.25,-4.162) 22(1.75,-4.162) 23(2.25,-4.162) 24(2.75,-4.162) 37(2.75,4.162) 38(2.25,4.162) 39(1.75,4.162) 40(1.25,4.162) 41(0.75,4.162) 42(0.25,4.162) 43(-0.25,4.162) 44(-0.75,4.162) 45(-1.25,4.162) 46(-1.75,4.162) 47(-2.25,4.162) 48(-2.75,4.162)
TSSOP-48_6.1x12.5mm_P0.5mm
  rrect 1.475x0.3 smd: 1(-3.712,5.75) 2(-3.712,5.25) 3(-3.712,4.75) 4(-3.712,4.25) 5(-3.712,3.75) 6(-3.712,3.25) 7(-3.712,2.75) 8(-3.712,2.25) 9(-3.712,1.75) 10(-3.712,1.25) 11(-3.712,0.75) 12(-3.712,0.25) 13(-3.712,-0.25) 14(-3.712,-0.75) 15(-3.712,-1.25) 16(-3.712,-1.75) 17(-3.712,-2.25) 18(-3.712,-2.75) 19(-3.712,-3.25) 20(-3.712,-3.75) 21(-3.712,-4.25) 22(-3.712,-4.75) 23(-3.712,-5.25) 24(-3.712,-5.75) 25(3.712,-5.75) 26(3.712,-5.25) 27(3.712,-4.75) 28(3.712,-4.25) 29(3.712,-3.75) 30(3.712,-3.25) 31(3.712,-2.75) 32(3.712,-2.25) 33(3.712,-1.75) 34(3.712,-1.25) 35(3.712,-0.75) 36(3.712,-0.25) 37(3.712,0.25) 38(3.712,0.75) 39(3.712,1.25) 40(3.712,1.75) 41(3.712,2.25) 42(3.712,2.75) 43(3.712,3.25) 44(3.712,3.75) 45(3.712,4.25) 46(3.712,4.75) 47(3.712,5.25) 48(3.712,5.75)

## Nets
